# KiCad board haptic display 8x8 aisler.kicad_pcb (continued)
## Routing (per net, layer and track width the routed paths; a pad name or vN(x,y) marks a point on that pad's centre or on a via; arc(x,y) is an arc through that point) (continued)
col5: length 7405.9
  Front w0.15: 79.59,123.98 79.63,123.97 80,123.6 80,123.55 79.79,123.56 79.59,123.6 79.39,123.67 79.2,123.76 79.03,123.88 78.88,124.03 78.75,124.19 78.64,124.38 78.56,124.58 78.51,124.79 78.49,125 78.5,125.22 78.54,125.43 78.61,125.64 78.71,125.83 78.84,126.01 78.99,126.17 79.16,126.31 79.35,126.42 79.56,126.5 79.78,126.55 80,126.58 80.22,126.56 80.45,126.52 80.66,126.45 80.86,126.34 81.05,126.21 81.22,126.05 81.36,125.87 81.47,125.67 81.56,125.46 81.62,125.23 81.64,125 81.63,124.77 81.58,124.54 81.51,124.31 81.4,124.1 81.26,123.91 81.09,123.74 80.91,123.59 80.7,123.47 80.48,123.38 80.24,123.32 80,123.3 79.78,123.31 79.56,123.35 79.34,123.41 79.14,123.51 78.95,123.63 78.78,123.78 78.62,123.94 78.49,124.13 78.39,124.33 78.31,124.55 78.26,124.77 78.24,125 78.25,125.23 78.29,125.46 78.36,125.68 78.46,125.89 78.58,126.09 78.73,126.27 78.9,126.43 79.1,126.56 79.31,126.67 79.53,126.75 79.76,126.8 80,126.83 80.24,126.81 80.48,126.77 80.7,126.7 80.92,126.6 81.13,126.47 81.31,126.31 81.48,126.13 81.62,125.93 81.73,125.72 81.81,125.49 81.87,125.25 81.89,125 81.88,124.75 81.83,124.51 81.76,124.27 81.65,124.05 81.52,123.84 81.36,123.64 81.17,123.47 80.96,123.33 80.74,123.21 80.5,123.13 80.25,123.07 80,123.05 79.76,123.06 79.53,123.1 79.3,123.16 79.08,123.26 78.88,123.38 78.69,123.52 78.52,123.68 78.36,123.87 78.24,124.07 78.13,124.29 78.06,124.52 78.01,124.76 77.99,125 78,125.24 78.04,125.48 78.1,125.72 78.2,125.94 78.32,126.16 78.47,126.35 78.64,126.53 78.83,126.69 79.04,126.82 79.27,126.93 79.51,127.01 79.75,127.06 80,127.08 80.25,127.06 80.5,127.02 80.74,126.95 80.97,126.85 81.19,126.73 81.4,126.57 81.58,126.4 81.74,126.2 81.88,125.98 81.99,125.75 82.07,125.51 82.12,125.26 82.14,125 82.13,124.74 82.08,124.49 82.01,124.24 81.91,124 81.78,123.77 81.62,123.56 81.44,123.37 81.24,123.21 81.01,123.07 80.78,122.96 80.52,122.87 80.26,122.82 80,122.8 79.75,122.81 79.51,122.85 79.27,122.91 79.04,123 78.82,123.12 78.61,123.26 78.42,123.42 78.25,123.61 78.1,123.81 77.98,124.03 77.88,124.26 77.8,124.5 77.76,124.75 77.74,125 77.75,125.25 77.79,125.51 77.85,125.75 77.95,125.99 78.07,126.22 78.21,126.43 78.38,126.62 78.57,126.8 78.77,126.95 79,127.08 79.24,127.18 79.48,127.26 79.74,127.31 80,127.33 80.26,127.31 80.52,127.28 80.77,127.21 81.02,127.11 81.25,126.99 81.47,126.84 81.67,126.67 81.85,126.47 82,126.26 82.13,126.03 82.24,125.78 82.32,125.53 82.37,125.27 82.39,125 82.38,124.73 82.34,124.47 82.27,124.21 82.17,123.96 82.04,123.72 81.89,123.49 81.71,123.29 81.51,123.11 81.29,122.94 81.06,122.81 80.8,122.7 80.54,122.62 80.27,122.57 80,122.55 79.74,122.56 79.49,122.6 79.24,122.66 79,122.75 78.76,122.86 78.55,123 78.34,123.16 78.15,123.34 77.99,123.54 77.84,123.75 77.72,123.98 77.62,124.23 77.55,124.48 77.51,124.74 77.49,125 77.5,125.26 77.53,125.52 77.6,125.78 77.69,126.03 77.81,126.27 77.95,126.49 78.11,126.7 78.3,126.89 78.5,127.06 78.72,127.21 78.96,127.34 79.21,127.44 79.47,127.51 79.73,127.56 80,127.58 80.27,127.57 80.54,127.53 80.8,127.46 81.05,127.37 81.3,127.25 81.53,127.1 81.74,126.94 81.94,126.75 82.11,126.54 82.27,126.31 82.39,126.07 82.5,125.81 82.57,125.55 82.62,125.28 82.64,125 82.63,124.72 82.59,124.45 82.52,124.18 82.42,123.92 82.3,123.67 82.15,123.44 81.98,123.22 81.79,123.02 81.57,122.84 81.34,122.68 81.09,122.55 80.83,122.44 80.56,122.37 80.28,122.32 80,122.3 79.73,122.31 79.47,122.34 79.21,122.41 78.96,122.49 78.72,122.6 78.49,122.74 78.27,122.89 78.07,123.07 77.89,123.26 77.72,123.48 77.58,123.71 77.46,123.95 77.37,124.2 77.3,124.46 77.25,124.73 77.24,125 77.25,125.27 77.28,125.54 77.35,125.81 77.43,126.06 77.55,126.31 77.68,126.55 77.84,126.77 78.02,126.98 78.23,127.16 78.44,127.33 78.68,127.47 78.92,127.6 79.18,127.69 79.45,127.76 79.72,127.81 80,127.83 80.28,127.82 80.55,127.78 80.82,127.71 81.09,127.62 81.34,127.51 81.58,127.37 81.81,127.2 82.02,127.02 82.21,126.81 82.38,126.59 82.53,126.35 82.65,126.1 82.75,125.83 82.82,125.56 82.87,125.28 82.89,125 82.88,124.72 82.84,124.44 82.77,124.16 82.68,123.89 82.56,123.63 82.42,123.38 82.25,123.15 82.06,122.94 81.85,122.74 81.63,122.57 81.38,122.42 81.12,122.29 80.85,122.19 80.57,122.11 80.29,122.07 80,122.05 79.73,122.06 79.46,122.09 79.19,122.15 78.93,122.24 78.68,122.34 78.44,122.47 78.21,122.63 77.99,122.8 77.8,122.99 77.62,123.2 77.46,123.43 77.32,123.67 77.2,123.92 77.11,124.18 77.05,124.45 77,124.72 76.99,125 77,125.28 77.03,125.55 77.09,125.83 77.18,126.09 77.29,126.35 77.42,126.6 77.58,126.83 77.75,127.05 77.95,127.25 78.16,127.43 78.39,127.6 78.64,127.74 78.89,127.85 79.16,127.95 79.44,128.02 79.72,128.06 80,128.07 80.28,128.07 80.57,128.03 80.84,127.97 81.12,127.88 81.38,127.77 81.63,127.63 81.87,127.47 82.09,127.29 82.3,127.09 82.48,126.88 82.65,126.64 82.79,126.39 82.91,126.13 83.01,125.86 83.08,125.58 83.12,125.29 83.14,125 83.13,124.71 83.09,124.42 83.03,124.14 82.94,123.86 82.83,123.59 82.69,123.34 82.52,123.09 82.34,122.87 82.14,122.66 81.91,122.47 81.67,122.3 81.42,122.15 81.15,122.03 80.87,121.93 80.59,121.86 80.29,121.82 80,121.8 79.72,121.81 79.44,121.84 79.17,121.9 78.9,121.98 78.64,122.08 78.39,122.21 78.15,122.36 77.93,122.53 77.72,122.72 77.52,122.92 77.35,123.14 77.19,123.38 77.06,123.63 76.95,123.89 76.86,124.16 76.79,124.43 76.75,124.72 76.74,125 76.75,125.28 76.78,125.57 76.84,125.85 76.92,126.12 77.03,126.39 77.16,126.64 77.31,126.89 77.48,127.11 77.67,127.33 77.88,127.53 78.11,127.7 78.35,127.86 78.6,128 78.87,128.11 79.14,128.2 79.42,128.27 79.71,128.31 80,128.32 80.29,128.32 80.58,128.28 80.86,128.22 81.14,128.14 81.41,128.03 81.67,127.9 81.92,127.74 82.16,127.57 82.37,127.37 82.57,127.16 82.75,126.93 82.92,126.68 83.05,126.42 83.17,126.15 83.26,125.87 83.33,125.59 83.37,125.29 83.39,125 83.38,124.7 83.34,124.41 83.28,124.12 83.2,123.84 83.09,123.56 82.95,123.3 82.79,123.04 82.62,122.8 82.42,122.58 82.2,122.38 81.96,122.19 81.71,122.03 81.45,121.89 81.18,121.77 80.89,121.68 80.6,121.61 80.3,121.57 80,121.55 79.71,121.56 79.43,121.59 79.15,121.65 78.88,121.72 78.61,121.83 78.35,121.95 78.1,122.09 77.86,122.26 77.64,122.44 77.44,122.64 77.25,122.86 77.08,123.09 76.93,123.34 76.8,123.6 76.69,123.86 76.6,124.14 76.54,124.42 76.5,124.71 76.49,125 76.5,125.29 76.53,125.58 76.59,125.86 76.67,126.14 76.77,126.42 76.89,126.68 77.04,126.93 77.21,127.17 77.39,127.4 77.6,127.61 77.82,127.8 78.06,127.97 78.31,128.13 78.57,128.26 78.84,128.37 79.12,128.46 79.41,128.52 79.71,128.56 80,128.57 80.3,128.57 80.59,128.53 80.88,128.48 81.17,128.39 81.44,128.29 81.71,128.16 81.97,128.01 82.21,127.84 82.44,127.65 82.65,127.44 82.85,127.22 83.03,126.98 83.18,126.72 83.32,126.45 83.43,126.18 83.52,125.89 83.58,125.6 83.62,125.3 83.64,125 83.63,124.7 83.59,124.4 83.54,124.1 83.45,123.81 83.35,123.53 83.22,123.26 83.06,123 82.89,122.75 82.7,122.52 82.49,122.3 82.26,122.1 82.01,121.92 81.75,121.76 81.48,121.63 81.2,121.51 80.91,121.42 80.61,121.36 80.31,121.32 80,121.3 79.71,121.31 79.42,121.34 79.13,121.39 78.85,121.47 78.58,121.57 78.31,121.69 78.06,121.83 77.81,121.99 77.58,122.17 77.36,122.36 77.16,122.57 76.98,122.8 76.81,123.05 76.66,123.3 76.54,123.57 76.43,123.84 76.35,124.12 76.29,124.41 76.25,124.71 76.24,125 76.25,125.3 76.28,125.59 76.33,125.88 76.41,126.17 76.51,126.45 76.63,126.72 76.77,126.98 76.94,127.23 77.12,127.46 77.32,127.68 77.53,127.89 77.77,128.07 78.01,128.24 78.27,128.39 78.54,128.52 78.82,128.63 79.11,128.71 79.4,128.77 79.7,128.81 80,128.82 80.3,128.82 80.6,128.78 80.9,128.73 81.19,128.65 81.47,128.55 81.75,128.42 82.01,128.28 82.26,128.11 82.5,127.93 82.73,127.73 82.93,127.51 83.12,127.27 83.3,127.02 83.45,126.76 83.58,126.48 83.69,126.2 83.77,125.91 83.83,125.61 83.87,125.3 83.89,125 83.88,124.69 83.85,124.39 83.79,124.09 83.71,123.79 83.61,123.51 83.48,123.23 83.33,122.96 83.17,122.7 82.98,122.46 82.77,122.23 82.55,122.02 82.31,121.82 82.05,121.65 81.78,121.5 81.51,121.37 81.22,121.26 80.92,121.17 80.62,121.1 80.31,121.07 80,121.05 79.7,121.06 79.41,121.09 79.12,121.14 78.83,121.21 78.55,121.31 78.28,121.43 78.01,121.56 77.76,121.72 77.52,121.89 77.29,122.08 77.08,122.29 76.88,122.51 76.7,122.75 76.54,123 76.4,123.27 76.28,123.54 76.18,123.82 76.1,124.11 76.04,124.4 76,124.7 75.99,125 76,125.3 76.03,125.6 76.08,125.89 76.15,126.19 76.25,126.47 76.37,126.75 76.51,127.02 76.67,127.27 76.84,127.52 77.04,127.75 77.25,127.97 77.48,128.17 77.72,128.35 77.97,128.51 78.24,128.66 78.52,128.78 78.8,128.88 79.1,128.96 79.39,129.02 79.7,129.06 80,129.07 80.3,129.07 80.61,129.04 80.91,128.98 81.2,128.91 81.49,128.81 81.78,128.69 82.05,128.55 82.31,128.39 82.56,128.21 82.79,128.01 83.01,127.79 83.21,127.56 83.4,127.32 83.57,127.06 83.71,126.79 83.84,126.51 83.94,126.22 84.03,125.92 84.09,125.62 84.12,125.31 84.14,125 84.13,124.69 84.1,124.38 84.04,124.08 83.97,123.78 83.87,123.48 83.74,123.2 83.6,122.92 83.44,122.66 83.26,122.4 83.05,122.17 82.84,121.94 82.6,121.74 82.35,121.55 82.09,121.38 81.81,121.23 81.53,121.1 81.23,121 80.93,120.91 80.63,120.85 80.31,120.81 80,120.8 79.7,120.81 79.4,120.84 79.11,120.89 78.81,120.96 78.53,121.05 78.25,121.16 77.98,121.3 77.72,121.45 77.47,121.62 77.23,121.8 77.01,122.01 76.8,122.23 76.61,122.46 76.43,122.71 76.28,122.97 76.14,123.24 76.02,123.52 75.92,123.8 75.84,124.1 75.79,124.39 75.75,124.7 75.74,125 75.75,125.3 75.78,125.61 75.83,125.91 75.9,126.2 75.99,126.49 76.11,126.78 76.24,127.05 76.4,127.32 76.57,127.57 76.76,127.81 76.96,128.04 77.19,128.25 77.42,128.44 77.67,128.62 77.94,128.78 78.21,128.92 78.49,129.04 78.78,129.14 79.08,129.22 79.39,129.28 79.69,129.31 80,129.32 80.31,129.32 80.62,129.29 80.92,129.23 81.22,129.16 81.52,129.07 81.8,128.95 82.08,128.81 82.35,128.66 82.61,128.48 82.85,128.29 83.08,128.08 83.29,127.85 83.49,127.61 83.67,127.36 83.83,127.09 83.98,126.82 84.1,126.53 84.2,126.23 84.28,125.93 84.34,125.62 84.37,125.31 84.39,125 84.38,124.69 84.35,124.37 84.3,124.07 84.22,123.76 84.12,123.46 84.01,123.17 83.87,122.89 83.71,122.62 83.53,122.36 83.34,122.11 83.12,121.88 82.9,121.66 82.65,121.46 82.39,121.28 82.12,121.11 81.84,120.97 81.55,120.84 81.25,120.74 80.94,120.66 80.63,120.6 80.32,120.56 80,120.55 79.05,120.55 ; 79.59,108.98 79.63,108.97 80,108.6 80,108.55 79.79,108.56 79.59,108.6 79.39,108.67 79.2,108.76 79.03,108.88 78.88,109.03 78.75,109.19 78.64,109.38 78.56,109.58 78.51,109.79 78.49,110 78.5,110.22 78.54,110.43 78.61,110.64 78.71,110.83 78.84,111.01 78.99,111.17 79.16,111.31 79.35,111.42 79.56,111.5 79.78,111.55 80,111.58 80.22,111.56 80.45,111.52 80.66,111.45 80.86,111.34 81.05,111.21 81.22,111.05 81.36,110.87 81.47,110.67 81.56,110.46 81.62,110.23 81.64,110 81.63,109.77 81.58,109.54 81.51,109.31 81.4,109.1 81.26,108.91 81.09,108.74 80.91,108.59 80.7,108.47 80.48,108.38 80.24,108.32 80,108.3 79.78,108.31 79.56,108.35 79.34,108.41 79.14,108.51 78.95,108.63 78.78,108.78 78.62,108.94 78.49,109.13 78.39,109.33 78.31,109.55 78.26,109.77 78.24,110 78.25,110.23 78.29,110.46 78.36,110.68 78.46,110.89 78.58,111.09 78.73,111.27 78.9,111.43 79.1,111.56 79.31,111.67 79.53,111.75 79.76,111.8 80,111.83 80.24,111.81 80.48,111.77 80.7,111.7 80.92,111.6 81.13,111.47 81.31,111.31 81.48,111.13 81.62,110.93 81.73,110.72 81.81,110.49 81.87,110.25 81.89,110 81.88,109.75 81.83,109.51 81.76,109.27 81.65,109.05 81.52,108.84 81.36,108.64 81.17,108.47 80.96,108.33 80.74,108.21 80.5,108.13 80.25,108.07 80,108.05 79.76,108.06 79.53,108.1 79.3,108.16 79.08,108.26 78.88,108.38 78.69,108.52 78.52,108.68 78.36,108.87 78.24,109.07 78.13,109.29 78.06,109.52 78.01,109.76 77.99,110 78,110.24 78.04,110.48 78.1,110.72 78.2,110.94 78.32,111.16 78.47,111.35 78.64,111.53 78.83,111.69 79.04,111.82 79.27,111.93 79.51,112.01 79.75,112.06 80,112.08 80.25,112.06 80.5,112.02 80.74,111.95 80.97,111.85 81.19,111.73 81.4,111.57 81.58,111.4 81.74,111.2 81.88,110.98 81.99,110.75 82.07,110.51 82.12,110.26 82.14,110 82.13,109.74 82.08,109.49 82.01,109.24 81.91,109 81.78,108.77 81.62,108.56 81.44,108.37 81.24,108.21 81.01,108.07 80.78,107.96 80.52,107.87 80.26,107.82 80,107.8 79.75,107.81 79.51,107.85 79.27,107.91 79.04,108 78.82,108.12 78.61,108.26 78.42,108.42 78.25,108.61 78.1,108.81 77.98,109.03 77.88,109.26 77.8,109.5 77.76,109.75 77.74,110 77.75,110.25 77.79,110.51 77.85,110.75 77.95,110.99 78.07,111.22 78.21,111.43 78.38,111.62 78.57,111.8 78.77,111.95 79,112.08 79.24,112.18 79.48,112.26 79.74,112.31 80,112.33 80.26,112.31 80.52,112.28 80.77,112.21 81.02,112.11 81.25,111.99 81.47,111.84 81.67,111.67 81.85,111.47 82,111.26 82.13,111.03 82.24,110.78 82.32,110.53 82.37,110.27 82.39,110 82.38,109.73 82.34,109.47 82.27,109.21 82.17,108.96 82.04,108.72 81.89,108.49 81.71,108.29 81.51,108.11 81.29,107.94 81.06,107.81 80.8,107.7 80.54,107.62 80.27,107.57 80,107.55 79.74,107.56 79.49,107.6 79.24,107.66 79,107.75 78.76,107.86 78.55,108 78.34,108.16 78.15,108.34 77.99,108.54 77.84,108.75 77.72,108.98 77.62,109.23 77.55,109.48 77.51,109.74 77.49,110 77.5,110.26 77.53,110.52 77.6,110.78 77.69,111.03 77.81,111.27 77.95,111.49 78.11,111.7 78.3,111.89 78.5,112.06 78.72,112.21 78.96,112.34 79.21,112.44 79.47,112.51 79.73,112.56 80,112.58 80.27,112.57 80.54,112.53 80.8,112.46 81.05,112.37 81.3,112.25 81.53,112.1 81.74,111.94 81.94,111.75 82.11,111.54 82.27,111.31 82.39,111.07 82.5,110.81 82.57,110.55 82.62,110.28 82.64,110 82.63,109.72 82.59,109.45 82.52,109.18 82.42,108.92 82.3,108.67 82.15,108.44 81.98,108.22 81.79,108.02 81.57,107.84 81.34,107.68 81.09,107.55 80.83,107.44 80.56,107.37 80.28,107.32 80,107.3 79.73,107.31 79.47,107.34 79.21,107.41 78.96,107.49 78.72,107.6 78.49,107.74 78.27,107.89 78.07,108.07 77.89,108.26 77.72,108.48 77.58,108.71 77.46,108.95 77.37,109.2 77.3,109.46 77.25,109.73 77.24,110 77.25,110.27 77.28,110.54 77.35,110.81 77.43,111.06 77.55,111.31 77.68,111.55 77.84,111.77 78.02,111.98 78.23,112.16 78.44,112.33 78.68,112.47 78.92,112.6 79.18,112.69 79.45,112.76 79.72,112.81 80,112.83 80.28,112.82 80.55,112.78 80.82,112.71 81.09,112.62 81.34,112.51 81.58,112.37 81.81,112.2 82.02,112.02 82.21,111.81 82.38,111.59 82.53,111.35 82.65,111.1 82.75,110.83 82.82,110.56 82.87,110.28 82.89,110 82.88,109.72 82.84,109.44 82.77,109.16 82.68,108.89 82.56,108.63 82.42,108.38 82.25,108.15 82.06,107.94 81.85,107.74 81.63,107.57 81.38,107.42 81.12,107.29 80.85,107.19 80.57,107.11 80.29,107.07 80,107.05 79.73,107.06 79.46,107.09 79.19,107.15 78.93,107.24 78.68,107.34 78.44,107.47 78.21,107.63 77.99,107.8 77.8,107.99 77.62,108.2 77.46,108.43 77.32,108.67 77.2,108.92 77.11,109.18 77.05,109.45 77,109.72 76.99,110 77,110.28 77.03,110.55 77.09,110.83 77.18,111.09 77.29,111.35 77.42,111.6 77.58,111.83 77.75,112.05 77.95,112.25 78.16,112.43 78.39,112.6 78.64,112.74 78.89,112.85 79.16,112.95 79.44,113.02 79.72,113.06 80,113.08 80.28,113.07 80.57,113.03 80.84,112.97 81.12,112.88 81.38,112.77 81.63,112.63 81.87,112.47 82.09,112.29 82.3,112.09 82.48,111.88 82.65,111.64 82.79,111.39 82.91,111.13 83.01,110.86 83.08,110.58 83.12,110.29 83.14,110 83.13,109.71 83.09,109.42 83.03,109.14 82.94,108.86 82.83,108.59 82.69,108.34 82.52,108.09 82.34,107.87 82.14,107.66 81.91,107.47 81.67,107.3 81.42,107.15 81.15,107.03 80.87,106.93 80.59,106.86 80.29,106.82 80,106.8 79.72,106.81 79.44,106.84 79.17,106.9 78.9,106.98 78.64,107.08 78.39,107.21 78.15,107.36 77.93,107.53 77.72,107.72 77.52,107.92 77.35,108.14 77.19,108.38 77.06,108.63 76.95,108.89 76.86,109.16 76.79,109.43 76.75,109.72 76.74,110 76.75,110.28 76.78,110.57 76.84,110.85 76.92,111.12 77.03,111.39 77.16,111.64 77.31,111.89 77.48,112.11 77.67,112.33 77.88,112.53 78.11,112.7 78.35,112.86 78.6,113 78.87,113.11 79.14,113.2 79.42,113.27 79.71,113.31 80,113.33 80.29,113.32 80.58,113.28 80.86,113.22 81.14,113.14 81.41,113.03 81.67,112.9 81.92,112.74 82.16,112.57 82.37,112.37 82.57,112.16 82.75,111.93 82.92,111.68 83.05,111.42 83.17,111.15 83.26,110.87 83.33,110.59 83.37,110.29 83.39,110 83.38,109.7 83.34,109.41 83.28,109.12 83.2,108.84 83.09,108.56 82.95,108.3 82.79,108.04 82.62,107.8 82.42,107.58 82.2,107.38 81.96,107.19 81.71,107.03 81.45,106.89 81.18,106.77 80.89,106.68 80.6,106.61 80.3,106.57 80,106.55 79.71,106.56 79.43,106.59 79.15,106.65 78.88,106.72 78.61,106.83 78.35,106.95 78.1,107.09 77.86,107.26 77.64,107.44 77.44,107.64 77.25,107.86 77.08,108.09 76.93,108.34 76.8,108.6 76.69,108.86 76.6,109.14 76.54,109.42 76.5,109.71 76.49,110 76.5,110.29 76.53,110.58 76.59,110.86 76.67,111.14 76.77,111.42 76.89,111.68 77.04,111.93 77.21,112.17 77.39,112.4 77.6,112.61 77.82,112.8 78.06,112.97 78.31,113.13 78.57,113.26 78.84,113.37 79.12,113.46 79.41,113.52 79.71,113.56 80,113.58 80.3,113.57 80.59,113.53 80.88,113.48 81.17,113.39 81.44,113.29 81.71,113.16 81.97,113.01 82.21,112.84 82.44,112.65 82.65,112.44 82.85,112.22 83.03,111.98 83.18,111.72 83.32,111.45 83.43,111.18 83.52,110.89 83.58,110.6 83.62,110.3 83.64,110 83.63,109.7 83.59,109.4 83.54,109.1 83.45,108.81 83.35,108.53 83.22,108.26 83.06,108 82.89,107.75 82.7,107.52 82.49,107.3 82.26,107.1 82.01,106.92 81.75,106.76 81.48,106.63 81.2,106.51 80.91,106.42 80.61,106.36 80.31,106.32 80,106.3 79.71,106.31 79.42,106.34 79.13,106.39 78.85,106.47 78.58,106.57 78.31,106.69 78.06,106.83 77.81,106.99 77.58,107.17 77.36,107.36 77.16,107.57 76.98,107.8 76.81,108.05 76.66,108.3 76.54,108.57 76.43,108.84 76.35,109.12 76.29,109.41 76.25,109.71 76.24,110 76.25,110.3 76.28,110.59 76.33,110.88 76.41,111.17 76.51,111.45 76.63,111.72 76.77,111.98 76.94,112.23 77.12,112.46 77.32,112.68 77.53,112.89 77.77,113.07 78.01,113.24 78.27,113.39 78.54,113.52 78.82,113.63 79.11,113.71 79.4,113.77 79.7,113.81 80,113.83 80.3,113.82 80.6,113.78 80.9,113.73 81.19,113.65 81.47,113.55 81.75,113.42 82.01,113.28 82.26,113.11 82.5,112.93 82.73,112.73 82.93,112.51 83.12,112.27 83.3,112.02 83.45,111.76 83.58,111.48 83.69,111.2 83.77,110.91 83.83,110.61 83.87,110.3 83.89,110 83.88,109.69 83.85,109.39 83.79,109.09 83.71,108.79 83.61,108.51 83.48,108.23 83.33,107.96 83.17,107.7 82.98,107.46 82.77,107.23 82.55,107.02 82.31,106.82 82.05,106.65 81.78,106.5 81.51,106.37 81.22,106.26 80.92,106.17 80.62,106.1 80.31,106.07 80,106.05 79.7,106.06 79.41,106.09 79.12,106.14 78.83,106.21 78.55,106.31 78.28,106.43 78.01,106.56 77.76,106.72 77.52,106.89 77.29,107.08 77.08,107.29 76.88,107.51 76.7,107.75 76.54,108 76.4,108.27 76.28,108.54 76.18,108.82 76.1,109.11 76.04,109.4 76,109.7 75.99,110 76,110.3 76.03,110.6 76.08,110.89 76.15,111.19 76.25,111.47 76.37,111.75 76.51,112.02 76.67,112.27 76.84,112.52 77.04,112.75 77.25,112.97 77.48,113.17 77.72,113.35 77.97,113.51 78.24,113.66 78.52,113.78 78.8,113.88 79.1,113.96 79.39,114.02 79.7,114.06 80,114.08 80.3,114.07 80.61,114.04 80.91,113.98 81.2,113.91 81.49,113.81 81.78,113.69 82.05,113.55 82.31,113.39 82.56,113.21 82.79,113.01 83.01,112.79 83.21,112.56 83.4,112.32 83.57,112.06 83.71,111.79 83.84,111.51 83.94,111.22 84.03,110.92 84.09,110.62 84.12,110.31 84.14,110 84.13,109.69 84.1,109.38 84.04,109.08 83.97,108.78 83.87,108.48 83.74,108.2 83.6,107.92 83.44,107.66 83.26,107.4 83.05,107.17 82.84,106.94 82.6,106.74 82.35,106.55 82.09,106.38 81.81,106.23 81.53,106.1 81.23,106 80.93,105.91 80.63,105.85 80.31,105.81 80,105.8 79.7,105.81 79.4,105.84 79.11,105.89 78.81,105.96 78.53,106.05 78.25,106.16 77.98,106.3 77.72,106.45 77.47,106.62 77.23,106.8 77.01,107.01 76.8,107.23 76.61,107.46 76.43,107.71 76.28,107.97 76.14,108.24 76.02,108.52 75.92,108.8 75.84,109.1 75.79,109.39 75.75,109.7 75.74,110 75.75,110.3 75.78,110.61 75.83,110.91 75.9,111.2 75.99,111.49 76.11,111.78 76.24,112.05 76.4,112.32 76.57,112.57 76.76,112.81 76.96,113.04 77.19,113.25 77.42,113.44 77.67,113.62 77.94,113.78 78.21,113.92 78.49,114.04 78.78,114.14 79.08,114.22 79.39,114.28 79.69,114.31 80,114.33 80.31,114.32 80.62,114.29 80.92,114.23 81.22,114.16 81.52,114.07 81.8,113.95 82.08,113.81 82.35,113.66 82.61,113.48 82.85,113.29 83.08,113.08 83.29,112.85 83.49,112.61 83.67,112.36 83.83,112.09 83.98,111.82 84.1,111.53 84.2,111.23 84.28,110.93 84.34,110.62 84.37,110.31 84.39,110 84.38,109.69 84.35,109.37 84.3,109.07 84.22,108.76 84.12,108.46 84.01,108.17 83.87,107.89 83.71,107.62 83.53,107.36 83.34,107.11 83.12,106.88 82.9,106.66 82.65,106.46 82.39,106.28 82.12,106.11 81.84,105.97 81.55,105.84 81.25,105.74 80.94,105.66 80.63,105.6 80.32,105.56 80,105.55 79.05,105.55 ; 79.59,93.98 79.63,93.97 80,93.6 80,93.55 79.79,93.56 79.59,93.6 79.39,93.67 79.2,93.76 79.03,93.88 78.88,94.03 78.75,94.19 78.64,94.38 78.56,94.58 78.51,94.79 78.49,95 78.5,95.22 78.54,95.43 78.61,95.64 78.71,95.83 78.84,96.01 78.99,96.17 79.16,96.31 79.35,96.42 79.56,96.5 79.78,96.55 80,96.58 80.22,96.56 80.45,96.52 80.66,96.45 80.86,96.34 81.05,96.21 81.22,96.05 81.36,95.87 81.47,95.67 81.56,95.46 81.62,95.23 81.64,95 81.63,94.77 81.58,94.54 81.51,94.31 81.4,94.1 81.26,93.91 81.09,93.74 80.91,93.59 80.7,93.47 80.48,93.38 80.24,93.32 80,93.3 79.78,93.31 79.56,93.35 79.34,93.41 79.14,93.51 78.95,93.63 78.78,93.78 78.62,93.94 78.49,94.13 78.39,94.33 78.31,94.55 78.26,94.77 78.24,95 78.25,95.23 78.29,95.46 78.36,95.68 78.46,95.89 78.58,96.09 78.73,96.27 78.9,96.43 79.1,96.56 79.31,96.67 79.53,96.75 79.76,96.8 80,96.83 80.24,96.81 80.48,96.77 80.7,96.7 80.92,96.6 81.13,96.47 81.31,96.31 81.48,96.13 81.62,95.93 81.73,95.72 81.81,95.49 81.87,95.25 81.89,95 81.88,94.75 81.83,94.51 81.76,94.27 81.65,94.05 81.52,93.84 81.36,93.64 81.17,93.47 80.96,93.33 80.74,93.21 80.5,93.13 80.25,93.07 80,93.05 79.76,93.06 79.53,93.1 79.3,93.16 79.08,93.26 78.88,93.38 78.69,93.52 78.52,93.68 78.36,93.87 78.24,94.07 78.13,94.29 78.06,94.52 78.01,94.76 77.99,95 78,95.24 78.04,95.48 78.1,95.72 78.2,95.94 78.32,96.16 78.47,96.35 78.64,96.53 78.83,96.69 79.04,96.82 79.27,96.93 79.51,97.01 79.75,97.06 80,97.08 80.25,97.06 80.5,97.02 80.74,96.95 80.97,96.85 81.19,96.73 81.4,96.57 81.58,96.4 81.74,96.2 81.88,95.98 81.99,95.75 82.07,95.51 82.12,95.26 82.14,95 82.13,94.74 82.08,94.49 82.01,94.24 81.91,94 81.78,93.77 81.62,93.56 81.44,93.37 81.24,93.21 81.01,93.07 80.78,92.96 80.52,92.87 80.26,92.82 80,92.8 79.75,92.81 79.51,92.85 79.27,92.91 79.04,93 78.82,93.12 78.61,93.26 78.42,93.42 78.25,93.61 78.1,93.81 77.98,94.03 77.88,94.26 77.8,94.5 77.76,94.75 77.74,95 77.75,95.25 77.79,95.51 77.85,95.75 77.95,95.99 78.07,96.22 78.21,96.43 78.38,96.62 78.57,96.8 78.77,96.95 79,97.08 79.24,97.18 79.48,97.26 79.74,97.31 80,97.33 80.26,97.31 80.52,97.28 80.77,97.21 81.02,97.11 81.25,96.99 81.47,96.84 81.67,96.67 81.85,96.47 82,96.26 82.13,96.03 82.24,95.78 82.32,95.53 82.37,95.27 82.39,95 82.38,94.73 82.34,94.47 82.27,94.21 82.17,93.96 82.04,93.72 81.89,93.49 81.71,93.29 81.51,93.11 81.29,92.94 81.06,92.81 80.8,92.7 80.54,92.62 80.27,92.57 80,92.55 79.74,92.56 79.49,92.6 79.24,92.66 79,92.75 78.76,92.86 78.55,93 78.34,93.16 78.15,93.34 77.99,93.54 77.84,93.75 77.72,93.98 77.62,94.23 77.55,94.48 77.51,94.74 77.49,95 77.5,95.26 77.53,95.52 77.6,95.78 77.69,96.03 77.81,96.27 77.95,96.49 78.11,96.7 78.3,96.89 78.5,97.06 78.72,97.21 78.96,97.34 79.21,97.44 79.47,97.51 79.73,97.56 80,97.58 80.27,97.57 80.54,97.53 80.8,97.46 81.05,97.37 81.3,97.25 81.53,97.1 81.74,96.94 81.94,96.75 82.11,96.54 82.27,96.31 82.39,96.07 82.5,95.81 82.57,95.55 82.62,95.28 82.64,95 82.63,94.72 82.59,94.45 82.52,94.18 82.42,93.92 82.3,93.67 82.15,93.44 81.98,93.22 81.79,93.02 81.57,92.84 81.34,92.68 81.09,92.55 80.83,92.44 80.56,92.37 80.28,92.32 80,92.3 79.73,92.31 79.47,92.34 79.21,92.41 78.96,92.49 78.72,92.6 78.49,92.74 78.27,92.89 78.07,93.07 77.89,93.26 77.72,93.48 77.58,93.71 77.46,93.95 77.37,94.2 77.3,94.46 77.25,94.73 77.24,95 77.25,95.27 77.28,95.54 77.35,95.81 77.43,96.06 77.55,96.31 77.68,96.55 77.84,96.77 78.02,96.98 78.23,97.16 78.44,97.33 78.68,97.47 78.92,97.6 79.18,97.69 79.45,97.76 79.72,97.81 80,97.83 80.28,97.82 80.55,97.78 80.82,97.71 81.09,97.62 81.34,97.51 81.58,97.37 81.81,97.2 82.02,97.02 82.21,96.81 82.38,96.59 82.53,96.35 82.65,96.1 82.75,95.83 82.82,95.56 82.87,95.28 82.89,95 82.88,94.72 82.84,94.44 82.77,94.16 82.68,93.89 82.56,93.63 82.42,93.38 82.25,93.15 82.06,92.94 81.85,92.74 81.63,92.57 81.38,92.42 81.12,92.29 80.85,92.19 80.57,92.11 80.29,92.07 80,92.05 79.73,92.06 79.46,92.09 79.19,92.15 78.93,92.24 78.68,92.34 78.44,92.47 78.21,92.63 77.99,92.8 77.8,92.99 77.62,93.2 77.46,93.43 77.32,93.67 77.2,93.92 77.11,94.18 77.05,94.45 77,94.72 76.99,95 77,95.28 77.03,95.55 77.09,95.83 77.18,96.09 77.29,96.35 77.42,96.6 77.58,96.83 77.75,97.05 77.95,97.25 78.16,97.43 78.39,97.6 78.64,97.74 78.89,97.85 79.16,97.95 79.44,98.02 79.72,98.06 80,98.08 80.28,98.07 80.57,98.03 80.84,97.97 81.12,97.88 81.38,97.77 81.63,97.63 81.87,97.47 82.09,97.29 82.3,97.09 82.48,96.88 82.65,96.64 82.79,96.39 82.91,96.13 83.01,95.86 83.08,95.58 83.12,95.29 83.14,95 83.13,94.71 83.09,94.42 83.03,94.14 82.94,93.86 82.83,93.59 82.69,93.34 82.52,93.09 82.34,92.87 82.14,92.66 81.91,92.47 81.67,92.3 81.42,92.15 81.15,92.03 80.87,91.93 80.59,91.86 80.29,91.82 80,91.8 79.72,91.81 79.44,91.84 79.17,91.9 78.9,91.98 78.64,92.08 78.39,92.21 78.15,92.36 77.93,92.53 77.72,92.72 77.52,92.92 77.35,93.14 77.19,93.38 77.06,93.63 76.95,93.89 76.86,94.16 76.79,94.43 76.75,94.72 76.74,95 76.75,95.28 76.78,95.57 76.84,95.85 76.92,96.12 77.03,96.39 77.16,96.64 77.31,96.89 77.48,97.11 77.67,97.33 77.88,97.53 78.11,97.7 78.35,97.86 78.6,98 78.87,98.11 79.14,98.2 79.42,98.27 79.71,98.31 80,98.33 80.29,98.32 80.58,98.28 80.86,98.22 81.14,98.14 81.41,98.03 81.67,97.9 81.92,97.74 82.16,97.57 82.37,97.37 82.57,97.16 82.75,96.93 82.92,96.68 83.05,96.42 83.17,96.15 83.26,95.87 83.33,95.59 83.37,95.29 83.39,95 83.38,94.7 83.34,94.41 83.28,94.12 83.2,93.84 83.09,93.56 82.95,93.3 82.79,93.04 82.62,92.8 82.42,92.58 82.2,92.38 81.96,92.19 81.71,92.03 81.45,91.89 81.18,91.77 80.89,91.68 80.6,91.61 80.3,91.57 80,91.55 79.71,91.56 79.43,91.59 79.15,91.65 78.88,91.72 78.61,91.83 78.35,91.95 78.1,92.09 77.86,92.26 77.64,92.44 77.44,92.64 77.25,92.86 77.08,93.09 76.93,93.34 76.8,93.6 76.69,93.86 76.6,94.14 76.54,94.42 76.5,94.71 76.49,95 76.5,95.29 76.53,95.58 76.59,95.86 76.67,96.14 76.77,96.42 76.89,96.68 77.04,96.93 77.21,97.17 77.39,97.4 77.6,97.61 77.82,97.8 78.06,97.97 78.31,98.13 78.57,98.26 78.84,98.37 79.12,98.46 79.41,98.52 79.71,98.56 80,98.58 80.3,98.57 80.59,98.53 80.88,98.48 81.17,98.39 81.44,98.29 81.71,98.16 81.97,98.01 82.21,97.84 82.44,97.65 82.65,97.44 82.85,97.22 83.03,96.98 83.18,96.72 83.32,96.45 83.43,96.18 83.52,95.89 83.58,95.6 83.62,95.3 83.64,95 83.63,94.7 83.59,94.4 83.54,94.1 83.45,93.81 83.35,93.53 83.22,93.26 83.06,93 82.89,92.75 82.7,92.52 82.49,92.3 82.26,92.1 82.01,91.92 81.75,91.76 81.48,91.63 81.2,91.51 80.91,91.42 80.61,91.36 80.31,91.32 80,91.3 79.71,91.31 79.42,91.34 79.13,91.39 78.85,91.47 78.58,91.57 78.31,91.69 78.06,91.83 77.81,91.99 77.58,92.17 77.36,92.36 77.16,92.57 76.98,92.8 76.81,93.05 76.66,93.3 76.54,93.57 76.43,93.84 76.35,94.12 76.29,94.41 76.25,94.71 76.24,95 76.25,95.3 76.28,95.59 76.33,95.88 76.41,96.17 76.51,96.45 76.63,96.72 76.77,96.98 76.94,97.23 77.12,97.46 77.32,97.68 77.53,97.89 77.77,98.07 78.01,98.24 78.27,98.39 78.54,98.52 78.82,98.63 79.11,98.71 79.4,98.77 79.7,98.81 80,98.83 80.3,98.82 80.6,98.78 80.9,98.73 81.19,98.65 81.47,98.55 81.75,98.42 82.01,98.28 82.26,98.11 82.5,97.93 82.73,97.73 82.93,97.51 83.12,97.27 83.3,97.02 83.45,96.76 83.58,96.48 83.69,96.2 83.77,95.91 83.83,95.61 83.87,95.3 83.89,95 83.88,94.69 83.85,94.39 83.79,94.09 83.71,93.79 83.61,93.51 83.48,93.23 83.33,92.96 83.17,92.7 82.98,92.46 82.77,92.23 82.55,92.02 82.31,91.82 82.05,91.65 81.78,91.5 81.51,91.37 81.22,91.26 80.92,91.17 80.62,91.1 80.31,91.07 80,91.05 79.7,91.06 79.41,91.09 79.12,91.14 78.83,91.21 78.55,91.31 78.28,91.43 78.01,91.56 77.76,91.72 77.52,91.89 77.29,92.08 77.08,92.29 76.88,92.51 76.7,92.75 76.54,93 76.4,93.27 76.28,93.54 76.18,93.82 76.1,94.11 76.04,94.4 76,94.7 75.99,95 76,95.3 76.03,95.6 76.08,95.89 76.15,96.19 76.25,96.47 76.37,96.75 76.51,97.02 76.67,97.27 76.84,97.52 77.04,97.75 77.25,97.97 77.48,98.17 77.72,98.35 77.97,98.51 78.24,98.66 78.52,98.78 78.8,98.88 79.1,98.96 79.39,99.02 79.7,99.06 80,99.08 80.3,99.07 80.61,99.04 80.91,98.98 81.2,98.91 81.49,98.81 81.78,98.69 82.05,98.55 82.31,98.39 82.56,98.21 82.79,98.01 83.01,97.79 83.21,97.56 83.4,97.32 83.57,97.06 83.71,96.79 83.84,96.51 83.94,96.22 84.03,95.92 84.09,95.62 84.12,95.31 84.14,95 84.13,94.69 84.1,94.38 84.04,94.08 83.97,93.78 83.87,93.48 83.74,93.2 83.6,92.92 83.44,92.66 83.26,92.4 83.05,92.17 82.84,91.94 82.6,91.74 82.35,91.55 82.09,91.38 81.81,91.23 81.53,91.1 81.23,91 80.93,90.91 80.63,90.85 80.31,90.81 80,90.8 79.7,90.81 79.4,90.84 79.11,90.89 78.81,90.96 78.53,91.05 78.25,91.16 77.98,91.3 77.72,91.45 77.47,91.62 77.23,91.8 77.01,92.01 76.8,92.23 76.61,92.46 76.43,92.71 76.28,92.97 76.14,93.24 76.02,93.52 75.92,93.8 75.84,94.1 75.79,94.39 75.75,94.7 75.74,95 75.75,95.3 75.78,95.61 75.83,95.91 75.9,96.2 75.99,96.49 76.11,96.78 76.24,97.05 76.4,97.32 76.57,97.57 76.76,97.81 76.96,98.04 77.19,98.25 77.42,98.44 77.67,98.62 77.94,98.78 78.21,98.92 78.49,99.04 78.78,99.14 79.08,99.22 79.39,99.28 79.69,99.31 80,99.33 80.31,99.32 80.62,99.29 80.92,99.23 81.22,99.16 81.52,99.07 81.8,98.95 82.08,98.81 82.35,98.66 82.61,98.48 82.85,98.29 83.08,98.08 83.29,97.85 83.49,97.61 83.67,97.36 83.83,97.09 83.98,96.82 84.1,96.53 84.2,96.23 84.28,95.93 84.34,95.62 84.37,95.31 84.39,95 84.38,94.69 84.35,94.37 84.3,94.07 84.22,93.76 84.12,93.46 84.01,93.17 83.87,92.89 83.71,92.62 83.53,92.36 83.34,92.11 83.12,91.88 82.9,91.66 82.65,91.46 82.39,91.28 82.12,91.11 81.84,90.97 81.55,90.84 81.25,90.74 80.94,90.66 80.63,90.6 80.32,90.56 80,90.55 79.05,90.55 ; 79.59,78.98 79.63,78.97 80,78.6 80,78.55 79.79,78.56 79.59,78.6 79.39,78.67 79.2,78.76 79.03,78.88 78.88,79.03 78.75,79.19 78.64,79.38 78.56,79.58 78.51,79.79 78.49,80 78.5,80.22 78.54,80.43 78.61,80.64 78.71,80.83 78.84,81.01 78.99,81.17 79.16,81.31 79.35,81.42 79.56,81.5 79.78,81.55 80,81.58 80.22,81.56 80.45,81.52 80.66,81.45 80.86,81.34 81.05,81.21 81.22,81.05 81.36,80.87 81.47,80.67 81.56,80.46 81.62,80.23 81.64,80 81.63,79.77 81.58,79.54 81.51,79.31 81.4,79.1 81.26,78.91 81.09,78.74 80.91,78.59 80.7,78.47 80.48,78.38 80.24,78.32 80,78.3 79.78,78.31 79.56,78.35 79.34,78.41 79.14,78.51 78.95,78.63 78.78,78.78 78.62,78.94 78.49,79.13 78.39,79.33 78.31,79.55 78.26,79.77 78.24,80 78.25,80.23 78.29,80.46 78.36,80.68 78.46,80.89 78.58,81.09 78.73,81.27 78.9,81.43 79.1,81.56 79.31,81.67 79.53,81.75 79.76,81.8 80,81.83 80.24,81.81 80.48,81.77 80.7,81.7 80.92,81.6 81.13,81.47 81.31,81.31 81.48,81.13 81.62,80.93 81.73,80.72 81.81,80.49 81.87,80.25 81.89,80 81.88,79.75 81.83,79.51 81.76,79.27 81.65,79.05 81.52,78.84 81.36,78.64 81.17,78.47 80.96,78.33 80.74,78.21 80.5,78.13 80.25,78.07 80,78.05 79.76,78.06 79.53,78.1 79.3,78.16 79.08,78.26 78.88,78.38 78.69,78.52 78.52,78.68 78.36,78.87 78.24,79.07 78.13,79.29 78.06,79.52 78.01,79.76 77.99,80 78,80.24 78.04,80.48 78.1,80.72 78.2,80.94 78.32,81.16 78.47,81.35 78.64,81.53 78.83,81.69 79.04,81.82 79.27,81.93 79.51,82.01 79.75,82.06 80,82.08 80.25,82.06 80.5,82.02 80.74,81.95 80.97,81.85 81.19,81.73 81.4,81.57 81.58,81.4 81.74,81.2 81.88,80.98 81.99,80.75 82.07,80.51 82.12,80.26 82.14,80 82.13,79.74 82.08,79.49 82.01,79.24 81.91,79 81.78,78.77 81.62,78.56 81.44,78.37 81.24,78.21 81.01,78.07 80.78,77.96 80.52,77.87 80.26,77.82 80,77.8 79.75,77.81 79.51,77.85 79.27,77.91 79.04,78 78.82,78.12 78.61,78.26 78.42,78.42 78.25,78.61 78.1,78.81 77.98,79.03 77.88,79.26 77.8,79.5 77.76,79.75 77.74,80 77.75,80.25 77.79,80.51 77.85,80.75 77.95,80.99 78.07,81.22 78.21,81.43 78.38,81.62 78.57,81.8 78.77,81.95 79,82.08 79.24,82.18 79.48,82.26 79.74,82.31 80,82.33 80.26,82.31 80.52,82.28 80.77,82.21 81.02,82.11 81.25,81.99 81.47,81.84 81.67,81.67 81.85,81.47 82,81.26 82.13,81.03 82.24,80.78 82.32,80.53 82.37,80.27 82.39,80 82.38,79.73 82.34,79.47 82.27,79.21 82.17,78.96 82.04,78.72 81.89,78.49 81.71,78.29 81.51,78.11 81.29,77.94 81.06,77.81 80.8,77.7 80.54,77.62 80.27,77.57 80,77.55 79.74,77.56 79.49,77.6 79.24,77.66 79,77.75 78.76,77.86 78.55,78 78.34,78.16 78.15,78.34 77.99,78.54 77.84,78.75 77.72,78.98 77.62,79.23 77.55,79.48 77.51,79.74 77.49,80 77.5,80.26 77.53,80.52 77.6,80.78 77.69,81.03 77.81,81.27 77.95,81.49 78.11,81.7 78.3,81.89 78.5,82.06 78.72,82.21 78.96,82.34 79.21,82.44 79.47,82.51 79.73,82.56 80,82.58 80.27,82.57 80.54,82.53 80.8,82.46 81.05,82.37 81.3,82.25 81.53,82.1 81.74,81.94 81.94,81.75 82.11,81.54 82.27,81.31 82.39,81.07 82.5,80.81 82.57,80.55 82.62,80.28 82.64,80 82.63,79.72 82.59,79.45 82.52,79.18 82.42,78.92 82.3,78.67 82.15,78.44 81.98,78.22 81.79,78.02 81.57,77.84 81.34,77.68 81.09,77.55 80.83,77.44 80.56,77.37 80.28,77.32 80,77.3 79.73,77.31 79.47,77.34 79.21,77.41 78.96,77.49 78.72,77.6 78.49,77.74 78.27,77.89 78.07,78.07 77.89,78.26 77.72,78.48 77.58,78.71 77.46,78.95 77.37,79.2 77.3,79.46 77.25,79.73 77.24,80 77.25,80.27 77.28,80.54 77.35,80.81 77.43,81.06 77.55,81.31 77.68,81.55 77.84,81.77 78.02,81.98 78.23,82.16 78.44,82.33 78.68,82.47 78.92,82.6 79.18,82.69 79.45,82.76 79.72,82.81 80,82.83 80.28,82.82 80.55,82.78 80.82,82.71 81.09,82.62 81.34,82.51 81.58,82.37 81.81,82.2 82.02,82.02 82.21,81.81 82.38,81.59 82.53,81.35 82.65,81.1 82.75,80.83 82.82,80.56 82.87,80.28 82.89,80 82.88,79.72 82.84,79.44 82.77,79.16 82.68,78.89 82.56,78.63 82.42,78.38 82.25,78.15 82.06,77.94 81.85,77.74 81.63,77.57 81.38,77.42 81.12,77.29 80.85,77.19 80.57,77.11 80.29,77.07 80,77.05 79.73,77.06 79.46,77.09 79.19,77.15 78.93,77.24 78.68,77.34 78.44,77.47 78.21,77.63 77.99,77.8 77.8,77.99 77.62,78.2 77.46,78.43 77.32,78.67 77.2,78.92 77.11,79.18 77.05,79.45 77,79.72 76.99,80 77,80.28 77.03,80.55 77.09,80.83 77.18,81.09 77.29,81.35 77.42,81.6 77.58,81.83 77.75,82.05 77.95,82.25 78.16,82.43 78.39,82.6 78.64,82.74 78.89,82.85 79.16,82.95 79.44,83.02 79.72,83.06 80,83.08 80.28,83.07 80.57,83.03 80.84,82.97 81.12,82.88 81.38,82.77 81.63,82.63 81.87,82.47 82.09,82.29 82.3,82.09 82.48,81.88 82.65,81.64 82.79,81.39 82.91,81.13 83.01,80.86 83.08,80.58 83.12,80.29 83.14,80 83.13,79.71 83.09,79.42 83.03,79.14 82.94,78.86 82.83,78.59 82.69,78.34 82.52,78.09 82.34,77.87 82.14,77.66 81.91,77.47 81.67,77.3 81.42,77.15 81.15,77.03 80.87,76.93 80.59,76.86 80.29,76.82 80,76.8 79.72,76.81 79.44,76.84 79.17,76.9 78.9,76.98 78.64,77.08 78.39,77.21 78.15,77.36 77.93,77.53 77.72,77.72 77.52,77.92 77.35,78.14 77.19,78.38 77.06,78.63 76.95,78.89 76.86,79.16 76.79,79.43 76.75,79.72 76.74,80 76.75,80.28 76.78,80.57 76.84,80.85 76.92,81.12 77.03,81.39 77.16,81.64 77.31,81.89 77.48,82.11 77.67,82.33 77.88,82.53 78.11,82.7 78.35,82.86 78.6,83 78.87,83.11 79.14,83.2 79.42,83.27 79.71,83.31 80,83.33 80.29,83.32 80.58,83.28 80.86,83.22 81.14,83.14 81.41,83.03 81.67,82.9 81.92,82.74 82.16,82.57 82.37,82.37 82.57,82.16 82.75,81.93 82.92,81.68 83.05,81.42 83.17,81.15 83.26,80.87 83.33,80.59 83.37,80.29 83.39,80 83.38,79.7 83.34,79.41 83.28,79.12 83.2,78.84 83.09,78.56 82.95,78.3 82.79,78.04 82.62,77.8 82.42,77.58 82.2,77.38 81.96,77.19 81.71,77.03 81.45,76.89 81.18,76.77 80.89,76.68 80.6,76.61 80.3,76.57 80,76.55 79.71,76.56 79.43,76.59 79.15,76.65 78.88,76.72 78.61,76.83 78.35,76.95 78.1,77.09 77.86,77.26 77.64,77.44 77.44,77.64 77.25,77.86 77.08,78.09 76.93,78.34 76.8,78.6 76.69,78.86 76.6,79.14 76.54,79.42 76.5,79.71 76.49,80 76.5,80.29 76.53,80.58 76.59,80.86 76.67,81.14 76.77,81.42 76.89,81.68 77.04,81.93 77.21,82.17 77.39,82.4 77.6,82.61 77.82,82.8 78.06,82.97 78.31,83.13 78.57,83.26 78.84,83.37 79.12,83.46 79.41,83.52 79.71,83.56 80,83.58 80.3,83.57 80.59,83.53 80.88,83.48 81.17,83.39 81.44,83.29 81.71,83.16 81.97,83.01 82.21,82.84 82.44,82.65 82.65,82.44 82.85,82.22 83.03,81.98 83.18,81.72 83.32,81.45 83.43,81.18 83.52,80.89 83.58,80.6 83.62,80.3 83.64,80 83.63,79.7 83.59,79.4 83.54,79.1 83.45,78.81 83.35,78.53 83.22,78.26 83.06,78 82.89,77.75 82.7,77.52 82.49,77.3 82.26,77.1 82.01,76.92 81.75,76.76 81.48,76.63 81.2,76.51 80.91,76.42 80.61,76.36 80.31,76.32 80,76.3 79.71,76.31 79.42,76.34 79.13,76.39 78.85,76.47 78.58,76.57 78.31,76.69 78.06,76.83 77.81,76.99 77.58,77.17 77.36,77.36 77.16,77.57 76.98,77.8 76.81,78.05 76.66,78.3 76.54,78.57 76.43,78.84 76.35,79.12 76.29,79.41 76.25,79.71 76.24,80 76.25,80.3 76.28,80.59 76.33,80.88 76.41,81.17 76.51,81.45 76.63,81.72 76.77,81.98 76.94,82.23 77.12,82.46 77.32,82.68 77.53,82.89 77.77,83.07 78.01,83.24 78.27,83.39 78.54,83.52 78.82,83.63 79.11,83.71 79.4,83.77 79.7,83.81 80,83.83 80.3,83.82 80.6,83.78 80.9,83.73 81.19,83.65 81.47,83.55 81.75,83.42 82.01,83.28 82.26,83.11 82.5,82.93 82.73,82.73 82.93,82.51 83.12,82.27 83.3,82.02 83.45,81.76 83.58,81.48 83.69,81.2 83.77,80.91 83.83,80.61 83.87,80.3 83.89,80 83.88,79.69 83.85,79.39 83.79,79.09 83.71,78.79 83.61,78.51 83.48,78.23 83.33,77.96 83.17,77.7 82.98,77.46 82.77,77.23 82.55,77.02 82.31,76.82 82.05,76.65 81.78,76.5 81.51,76.37 81.22,76.26 80.92,76.17 80.62,76.1 80.31,76.07 80,76.05 79.7,76.06 79.41,76.09 79.12,76.14 78.83,76.21 78.55,76.31 78.28,76.43 78.01,76.56 77.76,76.72 77.52,76.89 77.29,77.08 77.08,77.29 76.88,77.51 76.7,77.75 76.54,78 76.4,78.27 76.28,78.54 76.18,78.82 76.1,79.11 76.04,79.4 76,79.7 75.99,80 76,80.3 76.03,80.6 76.08,80.89 76.15,81.19 76.25,81.47 76.37,81.75 76.51,82.02 76.67,82.27 76.84,82.52 77.04,82.75 77.25,82.97 77.48,83.17 77.72,83.35 77.97,83.51 78.24,83.66 78.52,83.78 78.8,83.88 79.1,83.96 79.39,84.02 79.7,84.06 80,84.08 80.3,84.07 80.61,84.04 80.91,83.98 81.2,83.91 81.49,83.81 81.78,83.69 82.05,83.55 82.31,83.39 82.56,83.21 82.79,83.01 83.01,82.79 83.21,82.56 83.4,82.32 83.57,82.06 83.71,81.79 83.84,81.51 83.94,81.22 84.03,80.92 84.09,80.62 84.12,80.31 84.14,80 84.13,79.69 84.1,79.38 84.04,79.08 83.97,78.78 83.87,78.48 83.74,78.2 83.6,77.92 83.44,77.66 83.26,77.4 83.05,77.17 82.84,76.94 82.6,76.74 82.35,76.55 82.09,76.38 81.81,76.23 81.53,76.1 81.23,76 80.93,75.91 80.63,75.85 80.31,75.81 80,75.8 79.7,75.81 79.4,75.84 79.11,75.89 78.81,75.96 78.53,76.05 78.25,76.16 77.98,76.3 77.72,76.45 77.47,76.62 77.23,76.8 77.01,77.01 76.8,77.23 76.61,77.46 76.43,77.71 76.28,77.97 76.14,78.24 76.02,78.52 75.92,78.8 75.84,79.1 75.79,79.39 75.75,79.7 75.74,80 75.75,80.3 75.78,80.61 75.83,80.91 75.9,81.2 75.99,81.49 76.11,81.78 76.24,82.05 76.4,82.32 76.57,82.57 76.76,82.81 76.96,83.04 77.19,83.25 77.42,83.44 77.67,83.62 77.94,83.78 78.21,83.92 78.49,84.04 78.78,84.14 79.08,84.22 79.39,84.28 79.69,84.31 80,84.33 80.31,84.32 80.62,84.29 80.92,84.23 81.22,84.16 81.52,84.07 81.8,83.95 82.08,83.81 82.35,83.66 82.61,83.48 82.85,83.29 83.08,83.08 83.29,82.85 83.49,82.61 83.67,82.36 83.83,82.09 83.98,81.82 84.1,81.53 84.2,81.23 84.28,80.93 84.34,80.62 84.37,80.31 84.39,80 84.38,79.69 84.35,79.37 84.3,79.07 84.22,78.76 84.12,78.46 84.01,78.17 83.87,77.89 83.71,77.62 83.53,77.36 83.34,77.11 83.12,76.88 82.9,76.66 82.65,76.46 82.39,76.28 82.12,76.11 81.84,75.97 81.55,75.84 81.25,75.74 80.94,75.66 80.63,75.6 80.32,75.56 80,75.55 79.05,75.55 ; 79.59,63.98 79.63,63.97 80,63.6 80,63.55 79.79,63.56 79.59,63.6 79.39,63.67 79.2,63.76 79.03,63.88 78.88,64.03 78.75,64.19 78.64,64.38 78.56,64.58 78.51,64.79 78.49,65 78.5,65.22 78.54,65.43 78.61,65.64 78.71,65.83 78.84,66.01 78.99,66.17 79.16,66.31 79.35,66.42 79.56,66.5 79.78,66.55 80,66.58 80.22,66.56 80.45,66.52 80.66,66.45 80.86,66.34 81.05,66.21 81.22,66.05 81.36,65.87 81.47,65.67 81.56,65.46 81.62,65.23 81.64,65 81.63,64.77 81.58,64.54 81.51,64.31 81.4,64.1 81.26,63.91 81.09,63.74 80.91,63.59 80.7,63.47 80.48,63.38 80.24,63.32 80,63.3 79.78,63.31 79.56,63.35 79.34,63.41 79.14,63.51 78.95,63.63 78.78,63.78 78.62,63.94 78.49,64.13 78.39,64.33 78.31,64.55 78.26,64.77 78.24,65 78.25,65.23 78.29,65.46 78.36,65.68 78.46,65.89 78.58,66.09 78.73,66.27 78.9,66.43 79.1,66.56 79.31,66.67 79.53,66.75 79.76,66.8 80,66.83 80.24,66.81 80.48,66.77 80.7,66.7 80.92,66.6 81.13,66.47 81.31,66.31 81.48,66.13 81.62,65.93 81.73,65.72 81.81,65.49 81.87,65.25 81.89,65 81.88,64.75 81.83,64.51 81.76,64.27 81.65,64.05 81.52,63.84 81.36,63.64 81.17,63.47 80.96,63.33 80.74,63.21 80.5,63.13 80.25,63.07 80,63.05 79.76,63.06 79.53,63.1 79.3,63.16 79.08,63.26 78.88,63.38 78.69,63.52 78.52,63.68 78.36,63.87 78.24,64.07 78.13,64.29 78.06,64.52 78.01,64.76 77.99,65 78,65.24 78.04,65.48 78.1,65.72 78.2,65.94 78.32,66.16 78.47,66.35 78.64,66.53 78.83,66.69 79.04,66.82 79.27,66.93 79.51,67.01 79.75,67.06 80,67.08 80.25,67.06 80.5,67.02 80.74,66.95 80.97,66.85 81.19,66.73 81.4,66.57 81.58,66.4 81.74,66.2 